# KiCad board mtk64_R_rev2.kicad_pcb (continued)
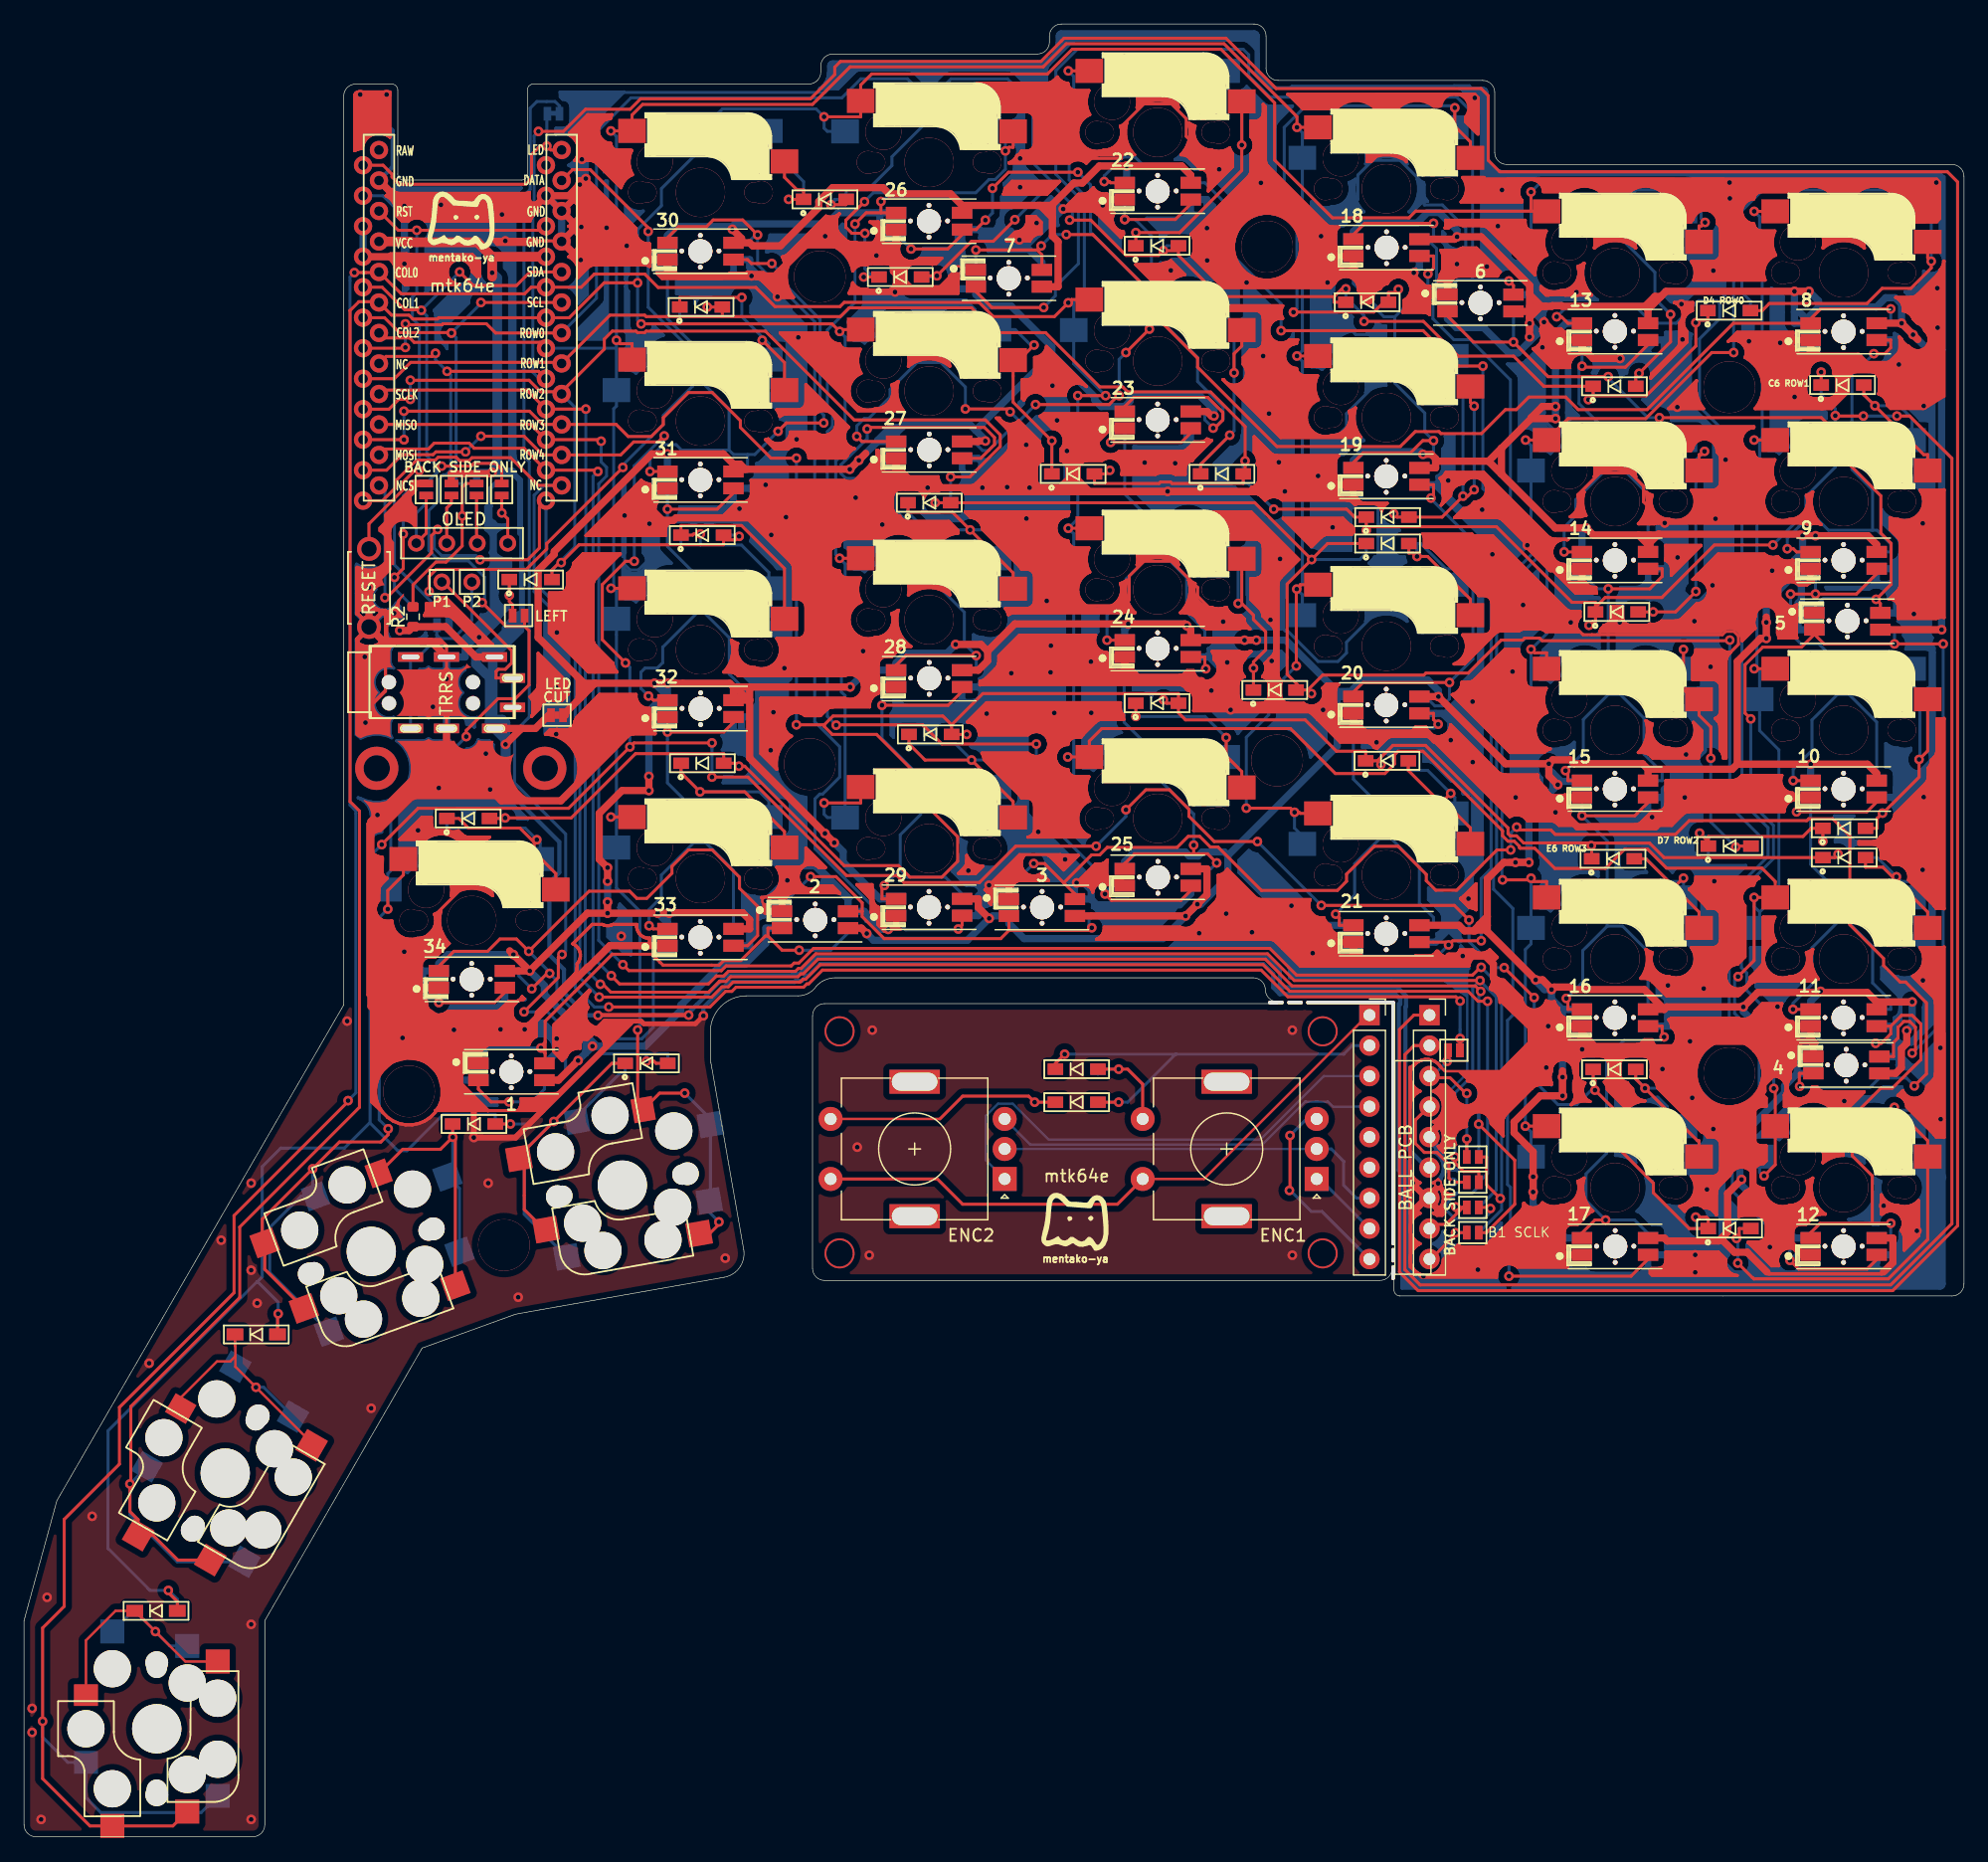
[diagram p0: board, top side]
## Routing (per net, layer and track width the routed paths; a pad name or vN(x,y) marks a point on that pad's centre or on a via; arc(x,y) is an arc through that point) (continued)
; 115.68,53.92 115.56,53.68 ; 115.68,53.92 115.56,53.68 ; 33.52,102.25 33.52,102.65 ; 33.52,102.25 33.52,102.65 ; 33.52,102.65 33.52,102.72 ; 33.52,102.65 33.52,102.72 ; 54.59,129.83 58.13,129.83 ; 54.59,129.83 54.56,129.83 ; 54.59,129.83 54.56,129.83 ; 54.59,129.83 58.13,129.83 ; 129.52,123.54 129.68,123.7 ; 129.52,123.54 129.68,123.7 ; 150.97,121.64 151.01,121.53 ; 150.97,121.64 151.01,121.53 ; 103.85,115.27 103.88,115.24 ; 103.85,115.27 103.82,115.3 ; 103.85,115.27 103.88,115.24 ; 103.85,115.27 103.82,115.3 ; 103.88,115.24 103.96,115.17 ; 103.88,115.24 103.96,115.17 ; 35.64,129.54 35.49,129.69 ; 35.64,129.54 35.49,129.69 ; 149.37,66.13 149.22,65.97 ; 149.37,66.13 149.22,65.97 ; 149.22,65.97 149.22,65.12 ; 149.22,65.97 149.22,65.12 ; 101.33,96.45 101.25,96.36 ; 101.33,96.45 101.25,96.36 ; 158.09,111.98 157.97,112.17 ; 158.09,111.98 157.97,112.17 ; 47.43,99.57 47.42,99.68 ; 47.43,99.57 47.42,99.68 ; 125.06,100.61 126.23,100.61 ; 125.06,100.61 126.23,100.61 ; 72.76,110.06 72.88,110.02 ; 72.76,110.06 72.88,110.02 ; 72.76,110.06 72.65,110.12 ; 72.76,110.06 72.65,110.12 ; 72.88,110.02 72.96,110.02 ; 72.88,110.02 72.96,110.02 ; 82.95,140.19 83.04,140.31 ; 82.95,140.19 82.83,140.1 ; 82.95,140.19 83.04,140.31 ; 82.95,140.19 82.83,140.1 ; 83.04,140.31 83.1,140.42 ; 83.04,140.31 83.1,140.42 ; 70.45,94.15 70.46,94.12 ; 70.45,94.15 70.45,94.35 ; 70.45,94.15 70.45,94.35 ; 70.45,94.15 70.46,94.12 ; 70.46,94.12 67.44,94.12 ; 70.46,94.12 67.44,94.12 ; 156.53,52.49 156.85,52.49 ; 156.53,52.49 156.85,52.49 ; 156.53,52.49 156.23,52.55 ; 156.53,52.49 156.23,52.55 ; 156.85,52.49 157.15,52.55 ; 156.85,52.49 157.15,52.55 ; 139.16,91.71 139.22,92.02 ; 139.16,91.71 139.22,92.02 ; 88.18,112.52 88.29,112.46 ; 88.18,112.52 88.29,112.46 ; 88.29,112.46 88.41,112.42 ; 88.29,112.46 88.41,112.42 ; 133.38,101.1 133.48,101.02 ; 133.38,101.1 133.3,101.2 ; 133.38,101.1 133.3,101.2 ; 133.38,101.1 133.48,101.02 ; 137.94,124.56 137.94,126.11 ; 137.94,124.56 137.94,126.11 ; 141.34,95.88 141.35,95.76 ; 141.34,95.88 141.35,95.76 ; 87.31,120.96 87.5,121.04 ; 87.31,120.96 87.5,121.04 ; 131.94,101.02 132.04,101.1 ; 131.94,101.02 131.83,100.96 ; 131.94,101.02 131.83,100.96 ; 131.94,101.02 132.04,101.1 ; 132.04,101.1 132.12,101.2 ; 132.04,101.1 132.12,101.2 ; 95.36,112.02 95.5,111.98 ; 95.36,112.02 95.5,111.98 ; 128.32,124.18 128.33,124.05 ; 128.32,124.18 128.33,124.05 ; 128.32,124.18 128.33,124.39 ; 128.32,124.18 128.33,124.39 ; 128.33,124.05 128.37,123.93 ; 128.33,124.05 128.37,123.93 ; 90.19,81.28 90.27,81.35 ; 90.19,81.28 90.27,81.35 ; 47.73,139.38 47.71,139.41 ; 47.73,139.38 47.71,139.41 ; 115.43,129.4 115.31,129.57 ; 115.43,129.4 115.5,129.21 ; 115.43,129.4 115.31,129.57 ; 115.43,129.4 115.5,129.21 ; 117.01,64.76 116.73,64.76 ; 117.01,64.76 116.73,64.76 ; 117.01,64.76 117.27,64.7 ; 117.01,64.76 117.27,64.7 ; 135.67,85.44 136.16,85.44 ; 135.67,85.44 136.16,85.44 ; 78.96,81.17 79.21,81.01 ; 78.96,81.17 79.21,81.01 ; 102.22,142.92 102.61,142.92 ; 102.22,142.92 102.61,142.92 ; 102.61,142.92 102.73,142.93 ; 102.61,142.92 102.73,142.93 ; 99.5,78.48 99.5,78.53 ; 99.5,78.48 99.5,78.53 ; 154.78,122.73 154.82,122.78 ; 154.78,122.73 154.82,122.78 ; 45.51,131.68 45.58,131.92 ; 45.51,131.68 45.58,131.92 ; 148.43,61.59 148.6,61.7 ; 148.43,61.59 148.25,61.51 ; 148.43,61.59 148.6,61.7 ; 148.43,61.59 148.25,61.51 ; 143.76,70.96 142.9,70.1 ; 143.76,70.96 143.79,71 ; 143.76,70.96 143.79,71 ; 143.76,70.96 142.9,70.1 ; 117.33,91.42 117.31,91.45 ; 117.33,91.42 117.31,91.45 ; 147.65,65.73 147.61,65.61 ; 147.65,65.73 147.71,65.84 ; 147.65,65.73 147.71,65.84 ; 147.65,65.73 147.61,65.61 ; 147.61,65.61 147.6,65.49 ; 147.61,65.61 147.6,65.49 ; 70.46,128.82 70.34,128.86 ; 70.46,128.82 70.34,128.86 ; 134.33,65.98 134.36,65.98 ; 134.33,65.98 134.36,65.98 ; 156.13,61.76 156.13,61.75 ; 156.13,61.76 156.13,61.75 ; 129.45,63.45 129.46,63.33 ; 129.45,63.45 129.45,64.4 ; 129.45,63.45 129.45,64.4 ; 129.45,63.45 129.46,63.33 ; 129.46,63.33 129.5,63.21 ; 129.46,63.33 129.5,63.21 ; 140.95,112.22 141.06,112.28 ; 140.95,112.22 141.06,112.28 ; 140.95,112.22 140.83,112.18 ; 140.95,112.22 140.83,112.18 ; 158.53,62.44 158.53,62.5 ; 158.53,62.44 158.49,62.24 ; 158.53,62.44 158.53,62.5 ; 158.53,62.44 158.49,62.24 ; 158.53,62.5 159.01,62.98 ; 158.53,62.5 159.01,62.98 ; 84.09,102.6 84.15,102.71 ; 84.09,102.6 84.15,102.71 ; 84.09,102.6 84.01,102.5 ; 84.09,102.6 84.01,102.5 ; 92.62,130.97 94.49,130.97 ; 92.62,130.97 94.49,130.97 ; 92.62,130.97 94.95,128.64 ; 92.62,130.97 94.95,128.64 ; 94.49,130.97 94.53,130.96 ; 94.49,130.97 94.53,130.96 ; 150.08,137.25 149.69,137.41 ; 150.08,137.25 149.69,137.41 ; 89.63,81.03 89.59,81.03 ; 89.63,81.03 89.59,81.03 ; 45.68,141.59 45.46,141.74 ; 45.68,141.59 45.46,141.74 ; 46.16,135.77 46.06,136.03 ; 46.16,135.77 46.06,136.03 ; 36.66,80.39 36.82,80.78 ; 36.66,80.39 36.82,80.78 ; 36.82,80.78 36.9,81.2 ; 36.82,80.78 36.9,81.2 ; 143.85,134.4 143.67,134.48 ; 143.85,134.4 143.67,134.48 ; 148.99,67.4 148.99,66.55 ; 148.99,67.4 148.99,66.55 ; 148.99,66.55 149.15,66.39 ; 148.99,66.55 149.15,66.39 ; 129.86,62.09 129.9,61.89 ; 129.86,62.09 129.9,61.89 ; 129.86,62.09 129.86,62.29 ; 129.86,62.09 129.86,62.29 ; 129.9,61.89 129.98,61.7 ; 129.9,61.89 129.98,61.7 ; 98.36,96.26 98.57,96.26 ; 98.36,96.26 98.57,96.26 ; 98.36,96.26 98.16,96.3 ; 98.36,96.26 98.16,96.3 ; 86.74,114.45 86.64,114.53 ; 86.74,114.45 86.64,114.53 ; 86.74,114.45 86.82,114.36 ; 86.74,114.45 86.82,114.36 ; 72.42,129.1 72.47,129.21 ; 72.42,129.1 72.34,129 ; 72.42,129.1 72.47,129.21 ; 72.42,129.1 72.34,129 ; 72.87,132.36 72.87,132.16 ; 72.87,132.36 72.87,132.16 ; 45.56,105.48 45.68,105.65 ; 45.56,105.48 45.42,105.33 ; 45.56,105.48 45.68,105.65 ; 45.56,105.48 45.42,105.33 ; 45.68,105.65 45.75,105.83 ; 45.68,105.65 45.75,105.83 ; 152.49,133.99 152.79,133.7 ; 152.49,133.99 152.79,133.7 ; 152.79,133.7 153.14,133.46 ; 152.79,133.7 153.14,133.46 ; 109.67,73.44 109.79,73.4 ; 109.67,73.44 109.56,73.49 ; 109.67,73.44 109.56,73.49 ; 109.67,73.44 109.79,73.4 ; 109.79,73.4 109.91,73.39 ; 109.79,73.4 109.91,73.39 ; 148.57,123.54 148.73,123.7 ; 148.57,123.54 148.73,123.7 ; 148.73,123.7 148.73,124.55 ; 148.73,123.7 148.73,124.55 ; 104.38,135.13 103.84,135.24 ; 104.38,135.13 104.89,134.92 ; 104.38,135.13 104.89,134.92 ; 104.38,135.13 103.84,135.24 ; 129.12,63.73 129.12,63.85 ; 129.12,63.73 129.18,63.58 ; 129.12,63.73 129.18,63.58 ; 129.12,63.73 129.12,63.85 ; 147.77,104.54 147.89,104.5 ; 147.77,104.54 147.89,104.5 ; 131.02,103.58 130.97,103.59 ; 131.02,103.58 130.97,103.59 ; 46.94,70.16 47.05,70.33 ; 46.94,70.16 47.05,70.33 ; 46.94,70.16 46.86,69.97 ; 46.94,70.16 46.86,69.97 ; 47.05,70.33 47.16,70.44 ; 47.05,70.33 47.16,70.44 ; 82.1,116.78 82.1,116.82 ; 82.1,116.78 82.1,116.82 ; 97.15,139.8 97.12,139.84 ; 97.15,139.8 97.84,139.11 ; 97.15,139.8 97.84,139.11 ; 97.15,139.8 97.12,139.84 ; 44.97,132.89 44.61,132.89 ; 44.97,132.89 44.61,132.89 ; 44.97,132.89 45.76,132.1 ; 44.97,132.89 44.61,132.89 ; 44.97,132.89 45.76,132.1 ; 44.97,132.89 45.76,133.67 ; 44.97,132.89 44.61,132.89 ; 44.97,132.89 45.76,133.67 ; 44.61,132.89 44.6,132.87 ; 44.61,132.89 44.6,132.87 ; 119.7,134.27 119.5,134.31 ; 119.7,134.27 119.5,134.31 ; 146.44,63.14 146.27,63.25 ; 146.44,63.14 146.59,63 ; 146.44,63.14 146.59,63 ; 146.44,63.14 146.27,63.25 ; 53.74,131.5 53.74,131.52 ; 53.74,131.5 53.74,131.52 ; 141.81,71.35 141.89,71.16 ; 141.81,71.35 141.89,71.16 ; 141.89,71.16 142,70.99 ; 141.89,71.16 142,70.99 ; 72.37,111.6 72.37,110.65 ; 72.37,111.6 72.37,110.65 ; 62.96,80.29 63.02,79.98 ; 62.96,80.29 63.02,79.98 ; 151.64,60.31 151.62,60.26 ; 151.64,60.31 151.62,60.26 ; 46.11,129.84 46.09,129.84 ; 46.11,129.84 46.09,129.84 ; 51.93,93.99 52.11,93.99 ; 51.93,93.99 52.11,93.99 ; 86.98,146.06 86.98,145.97 ; 86.98,146.06 86.98,145.97 ; 35.65,101.58 35.49,101.67 ; 35.65,101.58 35.49,101.67 ; 125.36,133.87 125.26,133.94 ; 125.36,133.87 125.26,133.94 ; 97.37,133.36 97.29,133.45 ; 97.37,133.36 97.42,133.24 ; 97.37,133.36 97.29,133.45 ; 97.37,133.36 97.42,133.24 ; 97.29,133.45 97.23,133.5 ; 97.29,133.45 97.23,133.5 ; 28.25,133.98 28.23,133.96 ; 28.25,133.98 28.26,133.96 ; 28.25,133.98 28.23,133.96 ; 28.25,133.98 28.26,133.96 ; 28.23,133.96 28.05,134.14 ; 28.23,133.96 28.05,134.14 ; 62.18,78.22 62.06,78.18 ; 62.18,78.22 62.06,78.18 ; 52.23,111.47 52.31,111.37 ; 52.23,111.47 52.31,111.37 ; 52.23,111.47 52.17,111.58 ; 52.23,111.47 52.17,111.58 ; 52.31,111.37 52.41,111.3 ; 52.31,111.37 52.41,111.3 ; 155.08,122.78 155.19,122.79 ; 155.08,122.78 155.19,122.79 ; 118.2,112.59 118.2,111.88 ; 118.2,112.59 118.2,111.88 ; 50.66,91.87 50.52,91.82 ; 50.66,91.87 50.52,91.82 ; 144.76,114.71 145.88,114.71 ; 144.76,114.71 145.88,114.71 ; 37.07,83.26 38.79,83.26 ; 37.07,83.26 38.79,83.26 ; 28.05,134.14 28.07,134.16 ; 28.05,134.14 28.07,134.16 ; 28.07,134.16 28.05,134.17 ; 28.07,134.16 28.05,134.17 ; 122.75,73.26 122.12,73.88 ; 122.75,73.26 122.12,73.88 ; 145.66,113.56 145.75,113.14 ; 145.66,113.56 145.75,113.14 ; 135.63,73.56 135.58,73.27 ; 135.63,73.56 135.67,73.65 ; 135.63,73.56 135.67,73.65 ; 135.63,73.56 135.58,73.27 ; 135.58,73.27 135.58,72.98 ; 135.58,73.27 135.58,72.98 ; 139.43,105.13 141.15,106.84 ; 139.43,105.13 141.15,106.84 ; 129.55,130.13 129.55,130.42 ; 129.55,130.13 129.55,130.42 ; 72.81,114.7 72.79,114.7 ; 72.81,114.7 72.79,114.7 ; 124.95,52.54 124.91,52.4 ; 124.95,52.54 124.91,52.4 ; 43.67,136.7 44.45,135.91 ; 43.67,136.7 44.45,135.91 ; 44.45,135.91 44.48,135.92 ; 44.45,135.91 44.48,135.92 ; 126.38,128.84 126.38,129.13 ; 126.38,128.84 126.81,128.42 ; 126.38,128.84 126.38,129.13 ; 126.38,128.84 126.81,128.42 ; 126.38,129.13 126.47,129.04 ; 126.38,129.13 126.47,129.04 ; 65.15,100.46 65.15,102.46 ; 65.15,100.46 65.14,100.33 ; 65.15,100.46 65.14,100.33 ; 65.15,100.46 65.15,102.46 ; 65.15,102.46 65.14,102.58 ; 65.15,102.46 65.14,102.58 ; 85.74,117.31 85.67,117.31 ; 85.74,117.31 85.94,117.27 ; 85.74,117.31 85.67,117.31 ; 85.74,117.31 85.94,117.27 ; 145.52,102.47 145.35,102.52 ; 145.52,102.47 145.35,102.52 ; 145.35,102.52 145.16,102.54 ; 145.35,102.52 145.16,102.54 ; 66.53,116.73 66.73,116.73 ; 66.53,116.73 66.73,116.73 ; 45.2,86.8 45.59,87.19 ; 45.2,86.8 44.73,86.49 ; 45.2,86.8 45.59,87.19 ; 45.2,86.8 44.73,86.49 ; 125.17,84.76 125.03,84.91 ; 125.17,84.76 125.26,84.62 ; 125.17,84.76 125.03,84.91 ; 125.17,84.76 125.26,84.62 ; 125.03,84.91 124.86,85.02 ; 125.03,84.91 124.86,85.02 ; 72.79,95.9 72.81,95.9 ; 72.79,95.9 72.81,95.9 ; 72.81,95.9 72.81,95.65 ; 72.81,95.9 72.81,95.65 ; 88.8,86.3 88.63,86.23 ; 88.8,86.3 88.63,86.23 ; 88.8,86.3 88.76,86.35 ; 88.8,86.3 88.76,86.35 ; 88.63,86.23 88.37,86.06 ; 88.63,86.23 88.37,86.06 ; 143.35,68.09 143.55,68.13 ; 143.35,68.09 143.15,68.09 ; 143.35,68.09 143.55,68.13 ; 143.35,68.09 143.15,68.09 ; 143.55,68.13 143.74,68.21 ; 143.55,68.13 143.74,68.21 ; 146.46,88.41 146.41,88.28 ; 146.46,88.41 146.41,88.28 ; 146.46,88.41 143.13,88.41 ; 146.46,88.41 143.13,88.41 ; 146.41,88.28 146.37,88.08 ; 146.41,88.28 146.37,88.08 ; 46.19,137.83 46.19,138.1 ; 46.19,137.83 46.14,137.56 ; 46.19,137.83 46.14,137.56 ; 46.19,137.83 46.19,138.1 ; 46.19,138.1 46.19,138.11 ; 46.19,138.1 46.19,138.11 ; 67.97,78.59 67.85,78.63 ; 67.97,78.59 67.85,78.63 ; 109.27,131.18 106.05,131.18 ; 109.27,131.18 106.05,131.18 ; 109.27,131.18 106.05,131.18 ; 109.27,131.18 106.05,131.18 ; 109.27,131.18 109.28,131.05 ; 109.27,131.18 109.28,131.05 ; 91.78,142.24 91.78,141.71 ; 91.78,142.24 91.88,142.76 ; 91.78,142.24 91.78,141.71 ; 91.78,142.24 91.88,142.76 ; 91.78,141.71 91.88,141.19 ; 91.78,141.71 91.88,141.19 ; 142.68,88.06 142.85,88.14 ; 142.68,88.06 142.85,88.14 ; 142.68,88.06 142.51,88 ; 142.68,88.06 142.51,88 ; 142.85,88.14 142.99,88.26 ; 142.85,88.14 142.99,88.26 ; 46.14,130.75 46.03,131.01 ; 46.14,130.75 46.03,131.01 ; 46.03,131.01 45.88,131.24 ; 46.03,131.01 45.88,131.24 ; 127.25,84.62 127.21,84.63 ; 127.25,84.62 127.21,84.63 ; 127.21,84.63 127.17,84.62 ; 127.21,84.63 127.17,84.62 ; 98.18,100.8 98.11,100.81 ; 98.18,100.8 98.3,100.77 ; 98.18,100.8 98.3,100.77 ; 98.18,100.8 98.11,100.81 ; 98.11,100.81 98.08,100.91 ; 98.11,100.81 98.08,100.91 ; 82.66,133.66 82.86,133.7 ; 82.66,133.66 82.86,133.7 ; 82.86,133.7 83.05,133.78 ; 82.86,133.7 83.05,133.78 ; 144.88,49.66 144.98,49.74 ; 144.88,49.66 144.77,49.6 ; 144.88,49.66 144.98,49.74 ; 144.88,49.66 144.77,49.6 ; 64.86,99.93 64.96,100 ; 64.86,99.93 64.96,100 ; 75.81,106.67 75.81,106.25 ; 75.81,106.67 75.81,106.25 ; 75.81,106.25 75.9,105.83 ; 75.81,106.25 75.9,105.83 ; 147.26,52.59 147.54,52.65 ; 147.26,52.59 147.54,52.65 ; 147.54,52.65 147.81,52.76 ; 147.54,52.65 147.81,52.76 ; 159.76,112.17 159.88,112.18 ; 159.76,112.17 159.88,112.18 ; 159.76,112.17 157.97,112.17 ; 159.76,112.17 157.97,112.17 ; 159.88,112.18 159.97,112.21 ; 159.88,112.18 159.97,112.21 ; 118.07,132.1 118.04,132.14 ; 118.07,132.1 118.04,132.14 ; 30.46,131.43 30.24,131.58 ; 30.46,131.43 30.24,131.58 ; 129.55,111.37 129.49,111.66 ; 129.55,111.37 129.49,111.66 ; 129.55,111.37 129.55,111.08 ; 129.55,111.37 129.55,111.08 ; 129.49,111.66 129.45,111.75 ; 129.49,111.66 129.45,111.75 ; 73.5,129.45 73.51,129.33 ; 73.5,129.45 73.51,129.33 ; 103.93,124.8 103.82,124.97 ; 103.93,124.8 103.82,124.97 ; 134.25,61.69 134.4,61.55 ; 134.25,61.69 134.4,61.55 ; 134.4,61.55 134.57,61.44 ; 134.4,61.55 134.57,61.44 ; 44.33,61.9 44.45,61.94 44.33,61.9 ; 44.33,61.9 44.21,61.89 ; 44.33,61.9 44.21,61.89 ; 77.91,112.52 78.77,112.52 ; 77.91,112.52 78.77,112.52 ; 132.3,113.91 131.78,113.81 ; 132.3,113.91 132.82,113.91 ; 132.3,113.91 132.82,113.91 ; 132.3,113.91 131.78,113.81 ; 89.45,74.8 89.62,74.92 ; 89.45,74.8 89.35,74.76 ; 89.45,74.8 89.62,74.92 ; 89.45,74.8 89.35,74.76 ; 101.66,94.42 101.78,94.41 ; 101.66,94.42 101.78,94.41 ; 46.81,68.74 46.89,68.93 ; 46.81,68.74 46.77,68.54 ; 46.81,68.74 46.89,68.93 ; 46.81,68.74 46.77,68.54 ; 46.89,68.93 47,69.09 ; 46.89,68.93 47,69.09 ; 88.92,140.45 89.22,140.39 ; 88.92,140.45 89.22,140.39 ; 68.03,124.19 68.11,124.09 ; 68.03,124.19 68.11,124.09 ; 132.22,101.55 132.22,102.47 ; 132.22,101.55 132.22,102.47 ; 64.26,93.66 64.06,93.62 ; 64.26,93.66 64.06,93.62 ; 64.26,93.66 64.46,93.66 ; 64.26,93.66 64.46,93.66 ; 64.06,93.62 63.87,93.54 ; 64.06,93.62 63.87,93.54 ; 38.98,78.66 39.04,78.4 ; 38.98,78.66 39.04,78.4 ; 64.66,93.62 64.46,93.66 ; 64.66,93.62 64.46,93.66 ; 33.52,102.72 33.64,102.7 ; 33.52,102.72 33.64,102.7 ; 33.64,102.7 33.85,102.7 ; 33.64,102.7 33.85,102.7 ; 131.71,100.92 131.83,100.96 ; 131.71,100.92 131.83,100.96 ; 118.31,129.6 118.47,129.44 ; 118.31,129.6 118.47,129.44 ; 102.09,138.38 102,138.27 ; 102.09,138.38 102,138.27 ; 117.87,54.65 117.93,54.57 ; 117.87,54.65 117.82,54.74 ; 117.87,54.65 117.93,54.57 ; 117.87,54.65 117.82,54.74 ; 117.93,54.57 117.96,54.53 ; 117.93,54.57 117.96,54.53 ; 155.64,103.08 155.52,103.09 ; 155.64,103.08 155.52,103.09 ; 128.96,66.39 128.84,66.4 ; 128.96,66.39 128.84,66.4 ; 150.43,133.7 150.73,133.99 ; 150.43,133.7 150.73,133.99 ; 88.52,87.16 88.6,86.74 ; 88.52,87.16 88.6,86.74 ; 88.52,87.16 88.52,87.58 ; 88.52,87.16 88.52,87.58 ; 88.6,86.74 88.76,86.35 ; 88.6,86.74 88.76,86.35 ; 149.32,102.08 149.3,102.08 ; 149.32,102.08 149.3,102.08 ; 107.28,76.92 107.42,76.78 ; 107.28,76.92 107.42,76.78 ; 107.42,76.78 107.59,76.66 ; 107.42,76.78 107.59,76.66 ; 135.56,121.6 135.6,121.8 ; 135.56,121.6 135.6,121.8 ; 119.1,134.27 119.3,134.31 ; 119.1,134.27 119.3,134.31 ; 93.97,147.68 93.81,148.07 ; 93.97,147.68 93.81,148.07 ; 93.97,147.68 94.06,147.27 ; 93.97,147.68 94.06,147.27 ; 84.98,118.54 90.22,118.54 ; 84.98,118.54 90.22,118.54 ; 159.97,131.26 159.97,119.98 ; 132.01,64.52 131.97,64.64 ; 132.01,64.52 131.97,64.64 ; 132.01,64.52 132.02,64.4 ; 132.01,64.52 132.02,64.4 ; 131.97,64.64 131.92,64.75 ; 131.97,64.64 131.92,64.75 ; 107.92,94.42 108.07,94.56 ; 107.92,94.42 108.07,94.56 ; 107.92,94.42 107.76,94.3 ; 107.92,94.42 107.76,94.3 ; 147.56,66.57 147.66,66.49 ; 147.56,66.57 147.66,66.49 ; 87.98,103.12 88.15,102.87 ; 87.98,103.12 87.86,103.41 ; 87.98,103.12 88.15,102.87 ; 87.98,103.12 87.86,103.41 ; 88.15,102.87 88.37,102.64 ; 88.15,102.87 88.37,102.64 ; 150.96,60.17 150.73,60.52 ; 150.96,60.17 150.73,60.52 ; 150.96,60.17 151.12,59.78 ; 150.96,60.17 151.12,59.78 ; 150.73,60.52 150.43,60.81 ; 150.73,60.52 150.43,60.81 ; 88.76,143.5 88.8,143.45 ; 88.76,143.5 88.8,143.45 ; 149.04,102.1 149.3,102.1 ; 149.04,102.1 149.04,102.08 ; 149.04,102.1 149.3,102.1 ; 149.04,102.1 149.04,102.08 ; 149.3,102.1 149.3,102.08 ; 149.3,102.1 149.3,102.08 ; 138.26,126.23 138.26,126.02 ; 138.26,126.23 138.3,126.43 ; 138.26,126.23 138.26,126.02 ; 138.26,126.23 138.3,126.43 ; 154.56,121.53 154.52,121.64 ; 154.56,121.53 154.52,121.64 ; 154.56,121.53 154.57,121.4 ; 154.56,121.53 154.57,121.4 ; 35.22,74.61 35.43,74.41 ; 35.22,74.61 35.43,74.41 ; 35.22,74.61 34.93,75.05 ; 35.22,74.61 34.93,75.05 ; 80.02,144 80.23,143.91 ; 80.02,144 80.23,143.91 ; 139.76,135.47 139.57,135.39 ; 139.76,135.47 139.57,135.39 ; 127.32,128.69 127.64,128.69 ; 127.32,128.69 127.64,128.69 ; 146.38,104.18 146.53,104.32 ; 146.38,104.18 146.53,104.32 ; 97.99,138.94 97.87,139.08 ; 97.99,138.94 98.01,138.91 ; 97.99,138.94 98.01,138.91 ; 97.99,138.94 97.87,139.08 ; 97.87,139.08 97.84,139.11 ; 97.87,139.08 97.84,139.11 ; 96.88,95.53 96.82,95.65 ; 96.88,95.53 96.82,95.65 ; 45.46,136.73 45.68,136.88 ; 45.46,136.73 45.38,136.69 ; 45.46,136.73 45.68,136.88 ; 45.46,136.73 45.38,136.69 ; 45.68,136.88 45.88,137.07 ; 45.68,136.88 45.88,137.07 ; 102.24,98.74 101.92,98.42 ; 102.24,98.74 102.23,98.74 ; 102.24,98.74 101.92,98.42 ; 102.24,98.74 102.23,98.74 ; 101.92,98.42 101.9,98.4 ; 101.92,98.42 101.9,98.4 ; 104.84,126.49 104.64,126.49 ; 104.84,126.49 104.87,126.49 ; 104.84,126.49 104.87,126.49 ; 104.84,126.49 104.64,126.49 ; 104.64,126.49 104.44,126.45 ; 104.64,126.49 104.44,126.45 ; 73.62,109.57 73.66,109.56 ; 73.62,109.57 73.66,109.56 ; 73.66,109.56 73.69,109.57 ; 73.66,109.56 73.69,109.57 ; 138.87,115.44 138.93,115.56 ; 138.87,115.44 138.93,115.56 ; 129.76,111.87 129.45,111.75 ; 129.76,111.87 129.45,111.75 ; 88.87,137.13 89.1,137.36 ; 88.87,137.13 89.1,137.36 ; 52.58,91.88 50.85,91.88 ; 52.58,91.88 50.85,91.88 ; 96.35,101.96 96.69,101.96 ; 96.35,101.96 96.69,101.96 ; 152.02,135.57 152.1,135.98 ; 152.02,135.57 152.1,135.98 ; 128.49,128.85 128.76,128.96 ; 128.49,128.85 128.76,128.96 ; 128.76,128.96 129.01,129.12 ; 128.76,128.96 129.01,129.12 ; 51.72,130.93 51.76,130.93 ; 51.72,130.93 51.76,130.93 ; 46.14,140.1 46.03,139.84 ; 46.14,140.1 46.03,139.84 ; 147.49,64.23 147.37,64.13 ; 147.49,64.23 147.37,64.13 ; 147.37,64.13 147.28,64.01 ; 147.37,64.13 147.28,64.01 ; 33.85,64.25 33.39,64.56 ; 33.85,64.25 34.24,63.87 ; 33.85,64.25 34.24,63.87 ; 33.85,64.25 33.39,64.56 ; 111.74,130.13 115.28,130.13 ; 111.74,130.13 115.28,130.13 ; 67.71,134.61 67.71,134.11 ; 67.71,134.61 67.71,134.11 ; 76.06,126.52 75.9,126.13 ; 76.06,126.52 76.11,126.6 ; 76.06,126.52 75.9,126.13 ; 76.06,126.52 76.11,126.6 ; 75.9,126.13 75.81,125.72 ; 75.9,126.13 75.81,125.72 ; 128.22,108.06 128.42,108.06 ; 128.22,108.06 128.42,108.06 ; 136.16,65.71 136.35,65.63 ; 136.16,65.71 135.99,65.82 ; 136.16,65.71 136.35,65.63 ; 136.16,65.71 135.99,65.82 ; 149.22,64.86 149.22,64.84 ; 149.22,64.86 149.22,64.84 ; 149.22,64.84 148.96,64.84 ; 149.22,64.84 148.96,64.84 ; 76.06,124.49 76.29,124.14 ; 76.06,124.49 75.9,124.88 ; 76.06,124.49 76.29,124.14 ; 76.06,124.49 75.9,124.88 ; 76.29,124.14 76.59,123.85 ; 76.29,124.14 76.59,123.85 ; 64.11,78.64 64.07,78.64 ; 64.11,78.64 64.14,78.64 ; 64.11,78.64 64.14,78.64 ; 64.11,78.64 64.07,78.64 ; 64.07,78.64 63.97,78.63 ; 64.07,78.64 63.97,78.63 ; 146.37,109.64 146.69,109.64 ; 146.37,109.64 146.69,109.64 ; 146.69,109.64 146.99,109.7 ; 146.69,109.64 146.99,109.7 ; 140.95,93.17 141.06,93.23 ; 140.95,93.17 140.91,93.15 ; 140.95,93.17 141.06,93.23 ; 140.95,93.17 140.91,93.15 ; 141.06,93.23 141.16,93.3 ; 141.06,93.23 141.16,93.3 ; 116.72,107.45 116.67,107.48 ; 116.72,107.45 116.67,107.48 ; 116.72,107.45 116.77,107.41 ; 116.72,107.45 116.77,107.41 ; 116.67,107.48 116.67,108.2 ; 116.67,107.48 116.67,108.2 ; 146.65,85.47 146.65,85.4 ; 146.65,85.47 146.65,85.4 ; 67.85,78.63 67.71,78.64 ; 67.85,78.63 67.71,78.64 ; 117.95,57.34 117.93,57.37 ; 117.95,57.34 118.26,57.03 